# Allegro board FEE5_10_30.brd (continued)
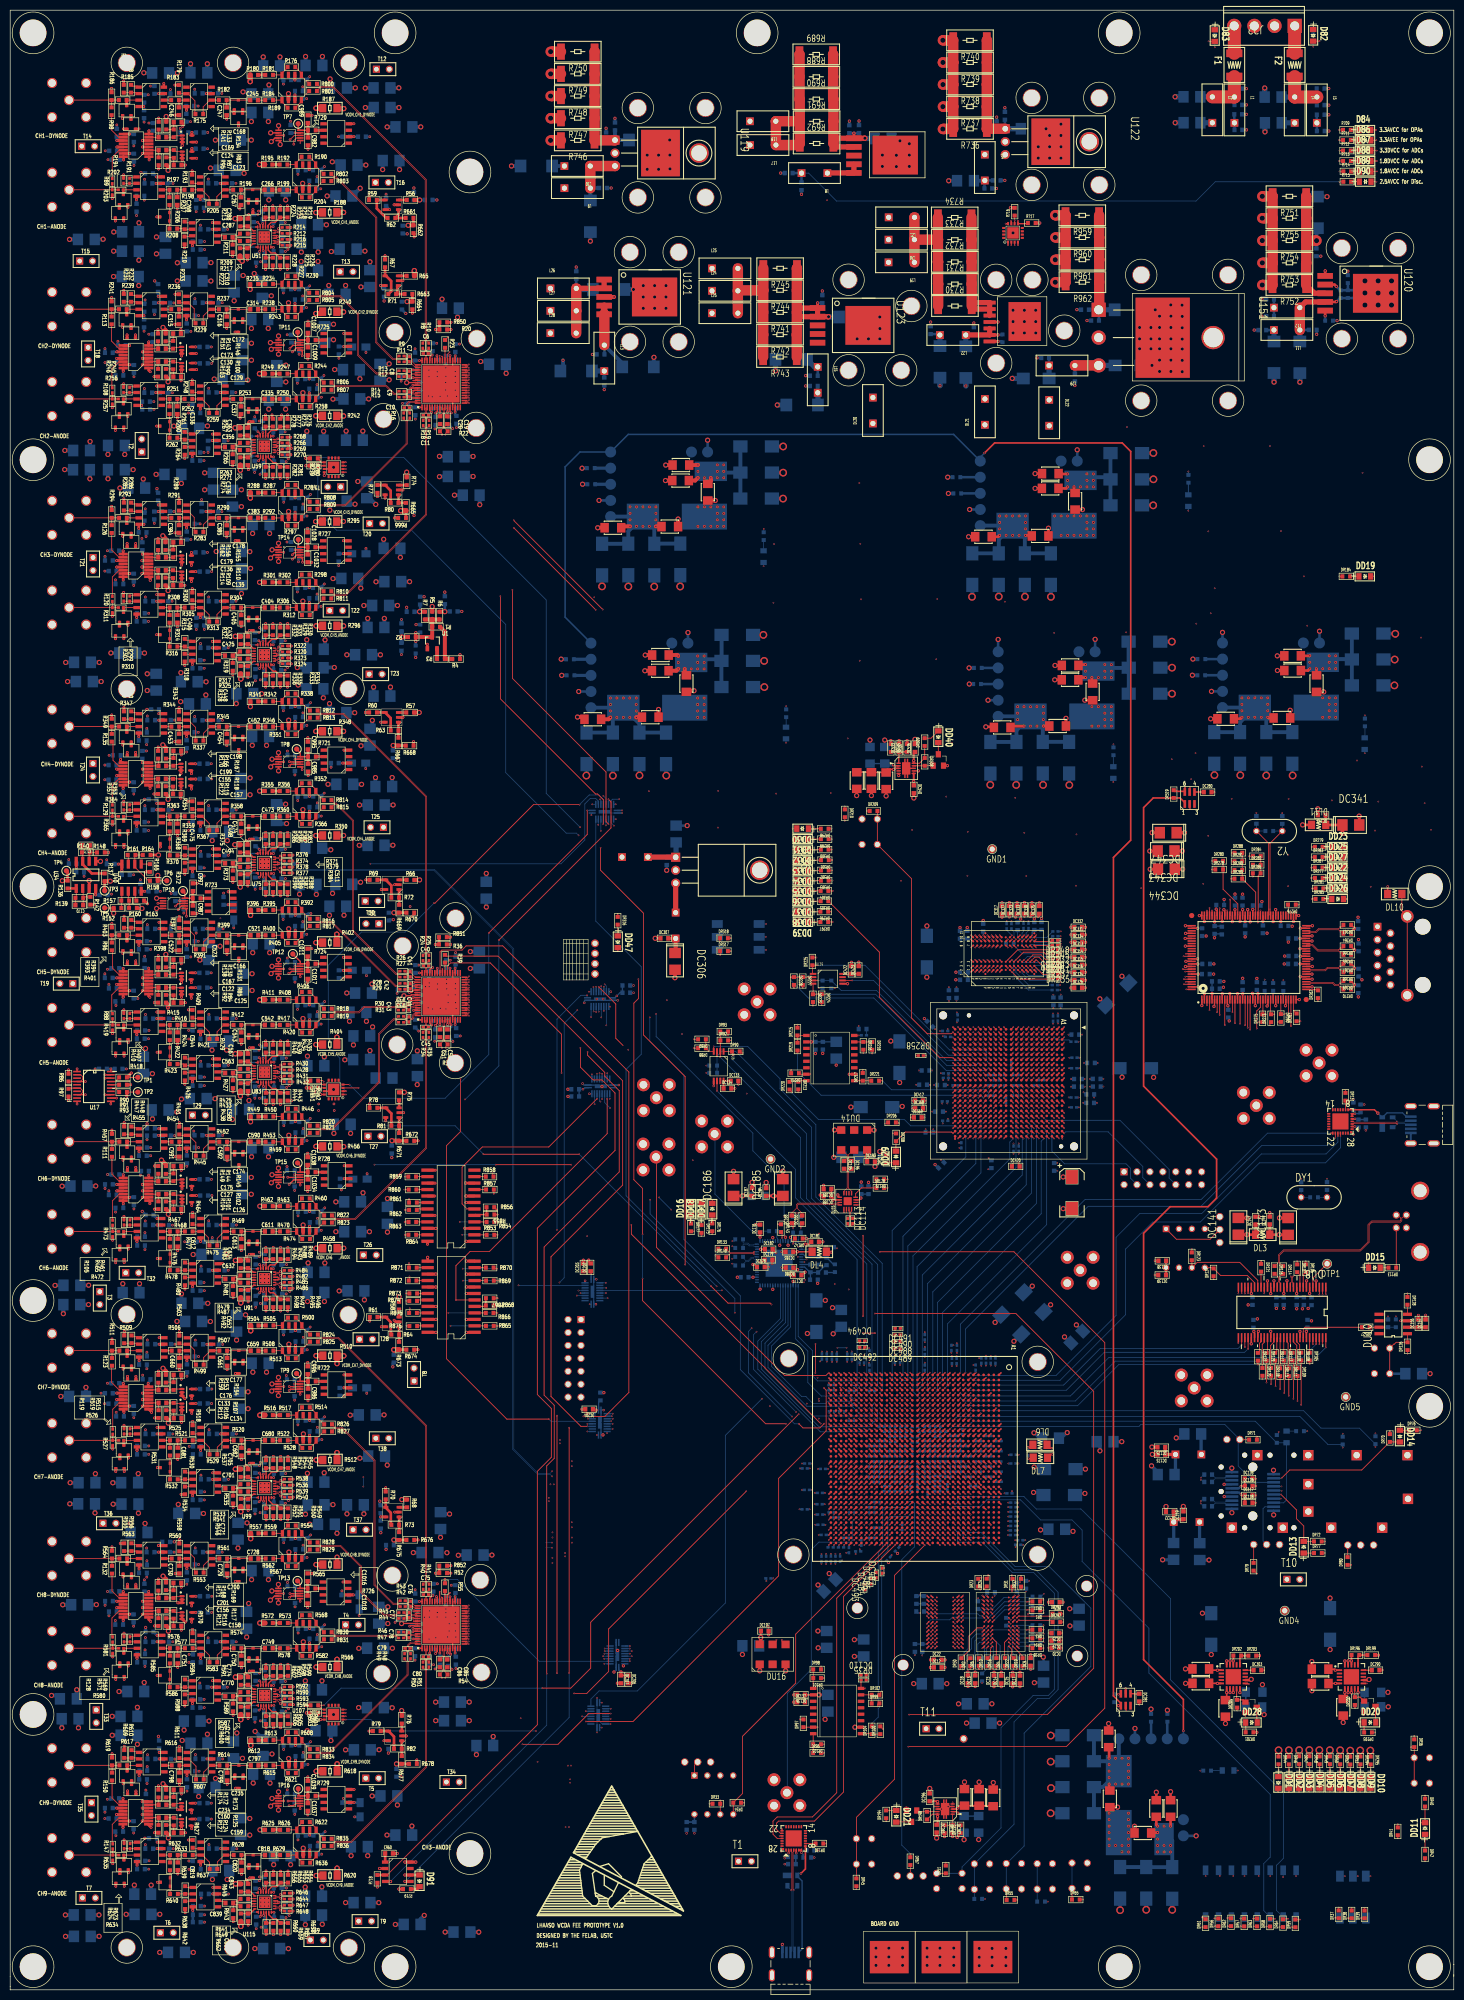
[diagram p0: board, top side]
## Routing (per net, layer and track width the routed paths; a pad name or vN(x,y) marks a point on that pad's centre or on a via; arc(x,y) is an arc through that point) (continued)
  vias: v1(114.74,273.43) v1(125.47,235.35) v1(139.07,235.42) v1(139.04,228.22) v1(149.93,272.38) v1(150.07,283.9) v1(150.45,234.9) v1(161.18,235.03) v1(164.52,245.72) v1(166.81,295.88) v1(166.88,261) v1(167.01,283.96) v1(167.14,273.03) v1(174.99,217.79) v1(177.18,227.76) v1(181.92,261.26) v1(182.12,273.1) v1(183.88,234.31) v1(185,244.81) v1(188.1,227.4) v1(188.04,218.77) v1(195.4,272.58) v1(197.42,234.08) v1(199.22,227.21) v1(199.61,218.71) v1(205.08,266.46) v1(209.36,216.81) v1(209.46,226.88) v1(219.21,266.56) v1(219.37,306.87) v1(222.18,216.32) v1(228.17,241.64) v1(232,237.73) v1(232.85,242.84) v1(233.01,268.27) v1(234.38,217.19) v1(234.45,303.13) v1(235.37,286.38) v1(235.33,226.62) v1(235.83,270.29) v1(236.61,275.2) v1(239.94,233.88) v1(247.47,303.13) v1(249.63,286.45) v1(251.02,222.88) v1(251.03,216.71) v1(251.13,233.85) v1(254.14,277.55) v1(254.8,267.87) v1(259.63,233.56) v1(264.57,241.4) v1(265.66,297.9) v1(267.25,216.61) v1(268.11,227.63) v1(268.76,233.33) v1(277.15,265.53) v1(277.3,240.2) v1(277.85,233) v1(279.1,227.8) v7(131.24,260.64) v7(133.78,259.37) v7(135.1,298.17) v7(135.05,261.91) v7(135.05,260.64) v7(135.05,259.37) v7(136.37,296.9) v7(136.32,261.91) v7(136.32,260.64) v7(136.32,259.37) v7(138.91,299.44) v7(138.91,298.17) v7(138.91,296.9) v7(140.18,299.44) v7(140.18,298.17) v7(140.18,296.9) v7(207.71,296.39) v7(210.25,295.12) v7(211.22,258.94) v7(211.52,297.66) v7(211.52,296.39) v7(211.52,295.12) v7(212.79,297.66) v7(212.79,296.39) v7(212.79,295.12) v7(213.76,257.67) v7(215.03,260.21) v7(215.03,258.94) v7(215.03,257.67) v7(216.3,260.21) v7(216.3,258.94) v7(216.3,257.67) v7(225.39,29.6) v7(225.39,28.33) v7(225.39,27.06) v7(226.66,32.14) v7(226.66,28.33) v7(226.66,27.06) v7(227.93,28.33) v7(227.93,27.06) v7(255.29,260.68) v7(257.83,259.41) v7(259.1,261.95) v7(259.1,260.68) v7(259.1,259.41) v7(260.37,261.95) v7(260.37,260.68) v7(260.37,259.41)
1.8AVCC: length 235.9
  TOP w0.152: R714.1 v1(261.12,357.06)
  TOP w0.254: U4.37 v3(86.4,77.18) ; v3(85.91,309.8) 85.91,309.81 U2.11 ; U2.4 82.41,310.13 82.79,309.75 v3(82.79,309.74) ; U4.59 79.25,70.41 79.13,70.29 v3(79.1,70.29) ; U2.42 83.91,319.93 83.91,320.8 83.84,320.87 v3(83.84,320.88) ; v3(82.4,66.13) 82.4,66.19 82.41,66.2 U4.4 ; v3(83.53,189.4) 83.91,189.78 U3.7 ; v3(79.11,313.87) 79.13,313.87 79.34,314.08 U2.59 ; U2.12 86.41,309.92 v3(86.68,309.65) ; U3.1 80.47,190.48 80.46,190.48 v3(80.37,190.48) ; v3(79.3,74.41) U4.51 ; U3.45 82.41,200.27 82.85,200.72 v3(82.99,200.72) ; v3(86.4,200.61) 86.4,200.55 86.4,200.54 U3.37 ; U3.62 79.32,192.33 79.32,192.33 v3(79.27,192.33) ; v3(80.38,310.72) 80.43,310.72 80.44,310.73 U2.1 ; v3(84.41,189.56) 84.41,189.73 84.41,189.73 U3.8 ; v3(79.13,318.09) 79.21,318.09 79.22,318.08 U2.51 ; v3(86.61,189.49) 86.61,189.5 86.4,189.71 U3.12 ; U2.45 82.41,320.57 82.86,321.01 v3(82.91,321.01) ; v3(79.13,68.9) 79.18,68.9 79.18,68.91 U4.62 ; v3(79.13,312.58) 79.23,312.58 79.24,312.58 U2.62 ; v3(79.1,193.63) 79.31,193.83 U3.59 ; v3(86.54,65.91) 86.41,66.04 86.41,67.05 U4.12 ; U3.11 85.9,189.6 85.91,189.6 v3(85.91,189.55) ; v3(83.59,309.63) 83.91,309.96 U2.7 ; v3(85.9,66.13) 85.9,66.14 85.9,66.15 U4.11 ; v3(84.41,309.8) 84.41,309.89 84.41,309.89 U2.8 ; U3.42 83.91,200.52 83.9,200.52 v3(83.9,200.61) ; v3(82.83,189.46) 82.41,189.88 U3.4 ; v3(80.38,319.92) 80.46,319.92 80.47,319.93 U2.48 ; v3(83.04,77.43) 82.96,77.43 82.41,76.87 U4.45 ; v3(83.74,77.21) 83.74,77.21 83.91,77.04 U4.42 ; U3.51 79.28,197.83 v3(79.24,197.83) ; U3.48 v3(80.37,199.68) ; U4.48 v3(80.37,76.26) ; U4.8 v3(84.41,66.13) ; U4.1 v3(80.37,67.06) ; U4.7 83.91,66.45 83.55,66.1 v3(83.55,66.04) ; U2.37 v3(86.41,320.9)
  TOP w0.508: R20.2 85.85,326.03 86.46,326.02 v3(86.6,326.02) ; R52.2 v3(86.58,81.83) ; R36.2 v3(86.53,205.27)
  S1 w0.152: v1(261.12,357.06) 247.54,357.06 242.89,352.42 242.89,324.25 234.53,315.88 219.17,315.88 213.44,310.15 162.09,310.15 L15.2
  BOTTOM w0.508: v3(80.37,190.48) 79.58,190.48 C65.2 ; C103.2 85.9,66.96 v3(85.9,66.13) ; v3(83.74,77.21) 83.74,76.58 C94.2 ; v3(82.83,189.46) 82.83,190.11 C66.2 ; C59.2 83.9,199.87 v3(83.9,200.61) ; C35.2 83.59,309.62 v3(83.59,309.63) ; C24.2 80.37,319.93 v3(80.38,319.92) ; C28.2 83.84,320.11 v3(83.84,320.88) ; v3(82.4,66.13) 82.4,65.41 C102.2 ; v3(80.37,199.68) 79.6,199.68 C61.2 ; v3(83.55,66.04) 83.55,66.78 C101.2 ; C25.2 79.16,318.06 v3(79.13,318.09) ; C944.1 158.62,313.62 L15.2 ; C95.2 83.11,77.49 v3(83.04,77.43) ; C29.2 82.91,321.73 v3(82.91,321.01) ; v3(86.54,65.91) 86.53,65.9 86.53,65.86 86,65.33 C105.2 ; C27.2 78.29,313.05 79.11,313.87 v3(79.11,313.87) ; C63.2 78.32,193.63 v3(79.1,193.63) ; C30.2 85.66,320.9 v3(86.41,320.9) ; 86.21,188.69 86.61,189.09 v3(86.61,189.49) ; 86.21,188.69 85.91,188.99 v3(85.91,189.55) C69.2 ; 86.21,188.69 86.21,188.65 C70.2 ; C62.2 79.26,197.82 v3(79.24,197.83) ; C96.2 80.37,76.25 v3(80.37,76.26) ; v3(80.38,310.72) 80.36,310.74 C31.2 ; C68.2 84.41,190.28 v3(84.41,189.56) ; C60.2 82.33,200.06 v3(82.99,200.72) ; v3(82.79,309.74) 82.79,310.38 C34.2 ; v3(79.13,68.9) 79.95,68.9 C99.2 ; C64.2 79.99,192.34 79.28,192.34 v3(79.27,192.33) ; C104.2 84.41,65.48 v3(84.41,66.13) ; C58.2 85.67,200.6 86.39,200.6 v3(86.4,200.61) ; v3(79.13,312.58) 79.14,312.58 C26.2 ; C36.2 84.41,310.55 v3(84.41,309.8) ; v3(79.29,74.41) 79.3,74.41 79.31,74.4 C97.2 ; C100.2 v3(80.37,67.06) ; v3(85.91,309.8) 85.91,310.63 C32.2 ; C93.2 85.68,77.18 v3(86.4,77.18) ; v3(83.53,189.4) 83.51,189.39 C67.2
  BOTTOM w0.762: v5(86.31,93.43) 84.89,93.43 C71.1 ; C109.1 90.54,297.17 90.54,297.17 v5(90.93,297.17) ; C73.1 94.88,49.19 94.88,49.19 v5(94.88,49.74) ; C37.1 74.04,75.21 74.04,75.2 v5(74.19,75.2) ; v5(74.44,319.28) 74.24,319.28 74.23,319.29 C74.1 ; C107.1 92.22,291.64 v5(92.24,291.62) ; v5(79.96,177.75) 80,177.79 C38.1 ; v5(75.08,67.08) 74.98,67.08 74.98,67.08 C108.1 ; v5(90.18,56.51) 90.1,56.51 90.09,56.51 C39.1 ; C72.1 90.52,203.86 90.52,203.87 v5(90.39,203.87) ; C106.1 97.43,319.14 v5(97.43,317.42)
  BOTTOM w1.016: C946.1 158.68,313.57 L15.2
1.8DVCC: length 189.7
  TOP w0.152: R713.1 v1(261.06,359.12)
  TOP w0.254: 87.41,319.93 v3(87.41,320.86) ; U3.14 v3(87.41,189.56) ; U4.35 v3(87.41,77.18) ; U3.35 87.41,200.61 v3(87.4,200.61) ; v3(87.41,309.8) 87.41,309.84 87.41,309.84 87.41,310.73 ; v3(87.4,66.13) 87.4,66.21 87.41,66.21 U4.14
  S4 w0.152: L13.2 134.54,317.87 146.57,329.9 171.25,329.9 190.54,349.2 201.95,349.2 211.87,359.12 v1(261.06,359.12)
  BOTTOM w0.508: 87.43,320.08 87.43,320.84 v3(87.41,320.86) 87.44,320.89 87.44,321.64 ; C88.1 87.41,77.87 v3(87.41,77.18) 87.41,76.48 C89.2 ; C53.1 87.4,201.26 v3(87.4,200.61) 87.4,199.95 87.48,199.87 C54.2 ; C92.2 87.4,66.82 v3(87.4,66.13) 87.4,65.55 C91.1 ; 87.67,310.58 87.41,310.31 v3(87.41,309.8) 87.41,309.31 87.66,309.05 ; L13.2 116.7,317.86 C935.1 ; C57.2 87.41,190.18 v3(87.41,189.56) 87.41,189.03 C56.1
  BOTTOM w0.762: v5(90.93,301.1) 89.32,301.1 C87.1 ; v5(84.83,331.99) 84.83,331.93 C90.1 ; v5(94.64,85.37) 94.28,85.37 94.28,85.37 92.99,85.37 ; v5(90.19,52.86) 90.02,52.86 90.02,52.85 C52.1 ; C55.1 v5(93.52,219.22)
  BOTTOM w1.016: L13.2 116.69,317.89 C936.1
  vias: v5(85.79,85.84)
2.5AVCC: length 198.9
  TOP w0.152: R715.1 v1(261.13,355.04)
  TOP w0.254: v3(52.69,303.12) 52.62,303.12 52.6,303.1 52.49,303.1 ; U99.22 52.54,98.9 v3(52.78,98.66) 52.51,98.39 U99.21 ; U83.22 52.46,180.47 v3(52.74,180.19) 52.51,179.97 U83.21 ; v3(51.72,301.02) 51.36,301.02 U59.18 ; U67.18 v3(51.74,260.19) ; U107.22 52.4,58.08 v3(52.71,57.77) 52.51,57.57 U107.21 ; U59.1 51.17,305.08 v3(51.67,305.08) ; U67.1 v3(51.69,264.1) ; v3(51.71,342.17) 51.27,342.17 U51.18 ; U91.21 52.6,139.42 52.8,139.61 v3(52.84,139.61) 52.53,139.93 U91.22 ; 52.49,303.1 52.45,303.1 52.45,303.14 52.19,303.4 U59.22 ; 52.49,303.1 52.28,302.89 U59.21 ; U75.21 52.56,220.94 v3(52.79,221.17) 52.79,221.19 52.54,221.45 U75.22 ; v3(51.66,346.23) 51.24,346.24 U51.1 ; U107.18 v3(51.8,55.84) ; U115.22 52.5,17.47 v3(52.79,17.18) 52.57,16.96 U115.21 ; U75.1 v3(51.7,223.12) ; v3(52.58,262.13) 52.53,262.13 ; 52.53,262.13 52.51,262.13 52.22,262.43 U67.22 ; 52.53,262.13 52.32,261.92 U67.21 ; U51.21 52.25,343.96 v3(52.55,344.26) 52.35,344.47 U51.22 ; U91.18 v3(51.86,137.69) ; U83.1 v3(51.82,182.15) ; U83.18 v3(51.83,178.24) ; U75.18 v3(51.75,219.21) ; U115.1 v3(51.76,19.14) ; U115.18 v3(51.81,15.23) ; U99.1 v3(51.75,100.58) ; U107.1 v3(51.75,59.76) ; U91.1 v3(51.68,141.6) ; U99.18 v3(51.8,96.67)
  BOTTOM w0.152: 155.45,356.73 156.86,356.73 162.34,351.25 232.94,351.25 236.74,355.04 v1(261.13,355.04)
  BOTTOM w0.508: v3(51.7,223.12) 51.7,223.9 C508.1 ; C715.1 51.75,101.33 v3(51.75,100.58) ; C785.1 51.8,54.66 v3(51.8,55.84) ; C854.1 51.85,15.2 v3(51.81,15.23) ; C587.1 54.12,180.14 52.79,180.14 v3(52.74,180.19) ; C509.1 51.76,219.2 v3(51.75,219.21) ; v3(52.71,57.77) 53.96,57.77 C794.1 ; C577.1 51.81,182.88 51.81,182.16 v3(51.82,182.15) ; v3(52.78,98.66) 52.87,98.57 54.13,98.57 C725.1 ; C784.1 51.75,60.56 v3(51.75,59.76) ; v3(51.86,137.69) 51.86,136.69 C647.1 ; v3(52.84,139.61) 54.09,139.61 C656.1 ; C439.1 51.69,264.86 v3(51.69,264.1) ; v3(52.69,303.12) 53.64,303.12 C370.1 ; C440.1 51.74,259.19 v3(51.74,260.19) ; C911.2 155.45,356.75 L8.2 155.45,356.73 C910.2 ; v3(52.79,221.17) 54.01,221.17 C518.1 ; C301.1 51.66,346.98 v3(51.66,346.23) ; v3(51.83,178.24) 51.83,177.19 C578.1 ; C863.1 54.13,17.18 v3(52.79,17.18) ; C371.1 51.67,305.89 v3(51.67,305.08) ; C302.1 51.71,341.39 v3(51.71,342.17) ; C853.1 51.78,19.16 v3(51.76,19.14) ; v3(51.72,301.02) 51.72,300.21 C380.1 ; C646.1 51.68,142.35 v3(51.68,141.6) ; C311.1 53.59,344.26 v3(52.55,344.26) ; C449.1 52.59,262.13 v3(52.58,262.13) ; C716.1 51.8,95.7 v3(51.8,96.67)
  BOTTOM w0.762: C658.1 60.14,217.02 v5(60.14,215.1) ; C372.1 61.22,18.41 v5(61.22,20.22) ; v5(63.41,95.27) 61.78,95.27 C441.1 ; v5(49.4,254.51) 49.2,254.51 49.19,254.52 C796.1 ; C579.1 61.71,182.89 v5(61.71,183.21) ; v5(61.68,101.54) 61.68,99.74 C451.1 ; v5(46.91,174.63) 46.91,174.63 C589.1 ; C382.1 61.31,14.63 v5(61.31,12.86) ; v5(62.12,346.59) 62.04,346.59 62.03,346.6 C865.1 ; C727.1 61.65,259.66 v5(63.67,259.66) ; C855.1 60.49,341.34 60.5,341.32 v5(60.5,341.22) ; v5(61.81,142.73) 61.81,140.94 C510.1 ; v5(61.57,306.05) 61.57,305.85 61.58,305.85 C786.1 ; v5(58.41,135.16) 58.41,135.31 58.42,135.32 C520.2 ; v5(61.25,60.68) 61.25,60.5 61.25,60.49 C909.1 ; v5(61.85,265.08) 61.85,263.49 C717.1 ; C648.1 61.6,223.87 v5(62.98,223.87)
2.5DVCC_ADC: length 4.1
  BOTTOM w0.508: L22.2 182.45,325.12 C1050.1
  BOTTOM w1.016: C1053.1 182.64,324.93 L22.2
3.3AVCC: length 687.5
  TOP w0.152: R709.1 v1(261.05,365.22)
  TOP w0.254: v3(48.68,305.95) 49.13,305.49 U59.5 ; v3(48.93,223.94) 49.12,223.75 49.12,223.16 U75.5 ; v3(55.97,282.77) 56.98,282.77 U142.9 ; v8(61.71,297.36) 61.71,297.36 U152.12 ; U130.9 v3(55.89,118.97) ; v8(60.98,175.8) 61.07,175.8 U153.12 ; U59.14 49.18,300.71 48.8,300.33 v3(48.8,300.26) ; U99.14 49.26,96.19 v3(48.9,95.83) ; U91.5 49.17,141.63 49.17,142.24 v3(48.98,142.43) ; U128.9 56.99,364.65 v3(55.98,364.65) ; v3(49.11,14.4) 49.25,14.55 49.25,15.21 U115.14 ; v3(48.97,19.86) 49.22,19.61 U115.5 ; U107.5 49.18,59.79 49.18,60.47 v3(48.98,60.67) ; U154.12 61.17,53.07 61.16,53.07 v8(60.97,53.07) ; v3(48.92,54.93) 49.23,55.24 49.23,55.82 U107.14 ; U138.9 56.08,78.32 56.08,78.33 v3(55.95,78.33) ; v3(48.97,259.47) 49.2,259.7 U67.14 ; v3(48.85,177.4) 49.23,177.79 U83.14 ; U17.20 19.77,180.8 19.77,180.8 v3(19.77,180.85) ; U137.9 v3(55.96,200.98) ; v3(55.95,37.62) 56,37.62 56.03,37.59 U144.9 ; v3(48.97,101.47) 49.18,101.25 49.18,100.61 U99.5 ; v3(48.85,264.9) 48.86,264.9 49.15,264.61 U67.5 ; v3(49.01,341.35) 49.14,341.49 49.14,342.2 U51.14 ; v3(48.93,218.47) 49.21,218.75 U75.14 ; v3(48.6,347.09) 49.12,346.57 U51.5 ; v3(55.98,323.45) 56.98,323.45 U136.9 ; U131.9 v3(33.29,213.84) ; v3(48.93,183.03) 49.15,182.81 49.15,182.18 U83.5 ; U91.14 49.22,137.67 49.22,137.09 v3(49.01,136.88) ; U129.9 v3(55.97,241.65) ; U143.9 v3(55.91,160.06)
  TOP w0.406: v3(41.26,354.71) 42.26,354.71 U48.7 ; U50.7 40.69,345.72 v3(39.69,345.72)
  TOP w0.508: U135.2 65.62,118.21 65.62,118.21 v3(65.56,118.21) ; R544.2 53.13,104.55 53.13,104.56 v3(53.13,104.75) ; U16.5 v3(36.39,196.77) ; U101.3 v3(56.02,85.7) ; U54.3 55.94,330 v3(55.94,331.13) ; U55.7 v3(28.62,313.65) ; R719.2 76.42,19.78 76.42,19.79 v8(76.37,19.79) ; R605.2 51.69,51.51 51.69,51.51 v3(51.69,51.45) ; U22.15 23.24,319.09 23.25,319.1 v3(23.46,319.1) ; U63.3 v3(58.76,272.43) ; v3(36.43,159.13) 35.65,159.13 U35.5 ; U58.7 40.7,304.24 v3(39.7,304.24) ; U37.5 v3(36.41,322.6) ; U24.5 36.43,278.47 v3(36.43,278.46) ; U113.8 v3(28.86,28.99) ; U100.7 v3(29.13,85.96) ; v3(53.31,309.25) 53.31,308.76 R275.2 ; U6.5 v3(72.77,248.92) ; R279.2 v3(53.04,296.77) ; R598.2 53.12,63.71 53.12,63.71 v3(53.12,63.93) ; v3(53.12,51.45) 53.12,51.74 53.12,51.75 R603.2 ; v3(22.19,194.89) 22.19,195.01 22.19,195.01 U14.16 ; U15.5 35.69,361.37 35.69,361.56 v3(35.7,361.57) ; v3(35.7,364.74) 35.7,364.59 35.7,364.13 U32.5 ; U28.11 20.93,280.65 v3(20.92,280.65) ; U97.3 v3(58.83,108.9) ; U61.7 v3(38.47,290.3) ; R385.2 v3(51.63,227.3) ; U42.5 v3(36.49,77.28) ; U76.8 v3(29.22,209.62) ; U74.8 39.89,224.02 39.89,224.03 v3(39.74,224.03) ; U26.11 21.08,117.17 21.08,117.18 v3(20.94,117.18) ; v3(73.65,292.91) 73.65,292.92 U11.5 ; v8(58.19,54.37) 58.27,54.37 58.27,54.37 R1005.2 ; U141.2 67.22,77.54 67.22,77.55 v3(67.41,77.55) ; v3(23.46,237.16) 23.37,237.16 23.37,237.16 U30.15 ; v3(28.84,151.45) 28.96,151.45 28.97,151.45 U87.8 ; U88.7 v3(41.33,150.19) ; U18.16 22.3,359.88 v3(22.3,359.32) ; U68.7 29.34,249.32 v3(29.2,249.32) ; U36.16 22.17,31.95 22.16,31.94 v3(22.16,31.88) ; R223.2 51.6,349.57 51.6,350.12 v3(51.6,350.32) ; R659.2 v3(51.71,10.84) ; v3(39.81,18.83) 39.97,18.83 39.97,18.83 U114.7 ; U28.16 v3(22.19,276.84) ; v3(41.8,142.57) 41.57,142.57 41.57,142.57 U90.8 ; U111.7 v3(41.36,27.73) ; v3(72.76,334.67) 72.82,334.67 72.82,334.66 U8.5 ; U146.2 66.62,159.27 v3(65.6,159.27) ; U7.5 v3(72.89,130.2) ; v3(41.28,272.7) 42.29,272.7 U65.7 ; U98.7 v3(39.78,100.24) ; U44.7 30.18,372.34 v3(29.17,372.34) ; U26.16 22.21,113.78 22.35,113.64 v3(22.35,113.41) ; U71.3 58.77,230.43 v3(58.77,231.45) ; U84.7 v3(29.16,167.8) ; U103.7 v3(28.84,68.34) ; R389.2 v3(51.64,214.82) ; U66.8 v3(39.72,264.79) ; v3(39.74,222.77) 40.74,222.77 U74.7 ; U33.5 v3(36.39,199.7) ; U30.11 21.14,239.7 21.14,239.7 v3(20.92,239.7) ; v8(58.17,177.11) 58.26,177.11 58.26,177.11 R1003.2 ; U31.11 20.99,76.31 20.99,76.31 v3(20.93,76.31) ; v3(53.08,214.82) 53.08,215.57 R387.2 ; U18.15 23.27,360.59 23.27,360.58 v3(23.49,360.58) ; U14.15 23.35,196.16 23.35,196.17 v3(23.46,196.17) ; v3(28.78,273.97) 29.79,273.97 U64.8 ; U86.3 v3(56.01,167.54) ; R493.2 v3(51.67,145.78) ; U49.3 58.73,354.43 v3(58.73,354.47) ; U23.11 21.16,158.15 21.15,158.14 v3(20.94,158.14) ; v3(51.61,268.28) 51.61,268.07 51.62,268.07 R331.2 ; U72.7 v3(28.79,231.7) ; U13.5 73.53,48.91 73.52,48.91 v3(73.42,48.91) ; R1002.2 58.56,178.12 v8(57.96,178.12) ; v3(23.47,73.77) 23.36,73.77 23.36,73.77 U31.15 ; R281.2 v3(51.61,296.79) ; v8(58.09,300.71) 58.16,300.71 R1001.2 ; U92.7 29.4,126.78 29.4,126.78 v3(29.26,126.78) ; v3(21.93,219.78) 21.93,219.88 21.94,219.88 U40.8 v3(21.24,221.05) ; v3(51.6,337.84) 51.6,338.6 R227.2 ; U78.3 v3(55.99,208.09) ; R488.2 v3(53.11,145.78) ; U69.7 v3(38.55,249.31) ; U85.7 v3(38.55,167.8) ; U109.8 29.37,46.61 29.37,46.62 v3(29.27,46.62) ; v3(38.56,372.34) 39.57,372.34 U45.7 ; U89.3 v3(58.81,149.93) ; v8(72.14,20.2) 72.14,20.29 72.14,20.29 R718.1 ; U94.3 v3(56.03,126.52) ; v3(29.21,169.07) 29.22,169.07 U84.8 ; v3(53.08,173.85) 53.08,173.96 53.09,173.97 R441.2 ; U38.5 v3(35.6,282.24) ; U18.11 21.17,363.13 21.17,363.14 v3(20.95,363.14) ; v3(36.45,237.76) 36.44,237.75 U27.5 ; v3(65.44,282) 66.45,282 U145.2 ; R655.2 v3(51.69,23.32) ; U52.8 v3(29.07,332.54) ; R657.2 v3(53.13,10.84) ; R1000.2 v8(58.1,299.28) ; v3(65.53,322.68) 66.53,322.68 U139.2 ; U60.7 v3(29.1,290.3) ; U100.8 29.14,87.23 v3(29.13,87.23) ; U90.7 v3(39.77,141.3) ; v3(22.19,72.5) 22.19,72.65 22.2,72.65 U31.16 ; v3(28.78,272.67) 29.79,272.67 U64.7 ; U73.7 v3(41.29,231.71) ; U103.8 v3(28.84,69.61) ; v8(77.54,25.09) 77.78,25.09 77.78,25.09 U126.8 79.53,25.09 79.53,25.09 v8(79.68,25.09) ; U9.5 v3(72.88,216.06) ; U72.8 v3(28.79,232.97) ; v3(53.06,227.3) 53.06,227.11 53.06,226.55 R382.2 ; U147.2 v3(67.56,36.8) ; U39.5 v3(36.53,117.97) ; U29.5 v3(36.38,33.53) ; U57.7 42.27,313.67 v3(41.27,313.67) ; R551.2 51.7,92.35 51.69,92.35 v3(51.69,92.27) ; U30.16 22.19,236.02 22.18,236.01 v3(22.18,235.89) ; R443.2 51.66,173.91 51.66,173.91 v3(51.66,173.85) ; U132.2 66.52,363.88 v3(67.53,363.88) ; R549.2 v3(53.12,92.33) ; v3(20.9,35.68) 21.11,35.68 21.12,35.69 U36.11 ; U47.8 29.76,355.98 v3(28.76,355.98) ; U47.7 v3(28.67,354.72) ; v8(58.18,55.87) 58.32,55.87 58.33,55.87 R1004.2 ; R439.2 v3(51.65,186.33) ; U105.3 v3(58.82,68.15) ; U56.3 v3(58.74,313.58) ; U19.5 v3(36.59,155.96) ; R335.2 v3(51.63,255.8) ; U68.8 v3(29.2,250.59) ; v3(39.72,263.5) 40.72,263.5 U66.7 ; U106.8 v3(39.75,60.7) ; U114.8 v3(39.81,20.1) ; v3(29.27,45.34) 29.41,45.34 29.42,45.34 U109.7 ; U14.11 v3(20.92,198.7) ; U50.8 40.69,346.99 v3(39.69,346.99) ; v3(28.77,314.93) 28.84,314.93 28.84,314.92 U55.8 ; U81.3 58.79,189.46 v3(58.79,190.47) ; U36.15 23.21,33.15 23.21,33.15 v3(23.44,33.15) ; U95.7 v3(28.85,109.16) ; U80.7 v3(41.31,190.74) ; v3(39.75,181.53) 40.75,181.53 U82.7 ; U110.3 v3(56.04,45.09) ; U5.5 v3(74.53,349.56) ; v3(51.69,104.75) 51.69,104.59 51.68,104.58 R547.2 ; R495.2 v3(53.11,133.3) ; U104.7 v3(41.27,68.34) ; R333.2 v3(53.06,255.8) ; v3(55.94,372.08) 55.94,371.08 U46.3 ; v3(36.38,240.74) 36.37,240.74 U41.5 ; U70.3 v3(55.97,249.06) ; U21.5 v3(36.49,115.12) ; U52.7 v3(29.12,331.27) ; U133.2 v3(65.33,240.89) ; U20.5 v3(36.46,319.44) ; U113.7 v3(28.86,27.72) ; U82.8 40.76,182.8 v3(39.75,182.8) ; U134.2 v3(42.81,213.07) ; U77.7 v3(38.61,208.34) ; U79.8 28.89,192 28.89,192 v3(28.82,192) ; U44.8 v3(30.18,374.34) ; U106.7 v3(39.58,59.43) ; R225.2 53.05,338.58 53.04,338 v3(53.04,337.84) ; U96.7 v3(41.35,109.16) ; U93.7 v3(38.65,126.77) ; v3(39.7,305.49) 40.7,305.49 U58.8 ; v3(20.92,321.63) 21.06,321.63 21.07,321.63 U22.11 ; U112.3 v3(58.84,27.47) ; v3(53.04,350.32) 53.04,350.17 53.05,349.58 R218.2 ; R653.2 v3(53.14,23.3) ; v3(51.44,309.25) 51.44,308.65 R277.2 ; v3(23.46,278.1) 23.25,278.1 23.24,278.11 U28.15 ; U108.7 v3(38.66,45.34) ; U25.5 v3(36.49,74.12) ; U23.16 v3(22.21,154.34) ; R329.2 v3(53.06,268.28) ; U92.8 v3(29.26,128.05) ; U53.7 v3(38.54,331.27) ; R434.2 v3(53.09,186.33) ; U34.8 v3(12.98,220.33) ; R497.2 v3(51.68,133.3) ; U87.7 28.91,150.18 28.91,150.19 v3(28.84,150.19) ; v3(65.45,200.2) 66.47,200.2 U140.2 ; U79.7 v3(28.82,190.73) ; U10.5 v3(72.77,92.86) ; U98.8 v3(39.78,101.51) ; v3(22.2,317.82) 22.2,317.96 22.19,317.96 U22.16 ; U60.8 v3(29.09,291.57) ; U26.15 v3(23.48,114.63) ; U12.5 v3(73.77,170.63) ; U23.15 23.25,155.61 23.27,155.63 v3(23.48,155.63) ; U62.3 v3(55.96,290.17) ; R601.2 v3(51.68,63.93) ; U43.5 v3(36.39,36.65) ; U95.8 v3(28.85,110.43) ; U76.7 v3(29.22,208.35) ; U102.7 v3(38.64,85.95)
  TOP w0.762: R2.1 v5(76.91,265.64)
  S2 w0.152: v1(261.05,365.22) 261.05,365.21 259.29,363.45 250.98,363.45 238.94,351.41 160.47,351.41 v1(160.46,351.41)
  BOTTOM w0.508: C801.1 v3(38.66,45.34) C800.1 ; C665.1 56.04,126.51 v3(56.03,126.52) 56.05,126.54 C666.1 ; C706.1 48.19,101.47 v3(48.97,101.47) ; C988.1 65.33,240.88 v3(65.33,240.89) 65.34,240.88 C990.1 ; C321.1 v3(55.94,331.13) 55.94,330.33 C320.1 ; C203.2 28.15,152.13 v3(28.84,151.45) ; C270.1 58.73,355.19 58.73,354.47 v3(58.73,354.47) 58.73,353.67 C269.1 ; C773.1 39.58,59.43 v3(39.58,59.43) 39.57,59.43 C772.1 ; C338.1 58.74,312.82 v3(58.74,313.58) 58.76,313.6 C339.1 ; v3(48.68,305.95) 48.04,306.58 C359.1 ; C119.2 29.07,291.6 v3(29.09,291.57) ; C496.1 39.71,222.75 v3(39.74,222.77) C495.1 ; C304.1 72.77,93.58 72.77,92.86 v3(72.77,92.86) 72.77,92.15 C962.1 ; C149.2 36.59,155.96 v3(36.59,155.96) ; C1031.1 65.45,281.99 v3(65.44,282) 65.43,282 C1030.1 ; C390.1 28.34,290.3 v3(29.1,290.3) 29.1,290.3 C391.1 ; C462.1 29.19,249.31 v3(29.2,249.32) 29.21,249.32 C461.1 ; v3(20.94,158.14) 20.91,158.17 C196.2 ; C975.2 v3(67.53,363.88) C976.2 ; C545.1 58.81,190.46 v3(58.79,190.47) 58.81,190.5 C546.1 ; C845.1 48.37,14.4 v3(49.11,14.4) ; v3(28.79,232.97) 28.79,233.72 C121.2 ; v3(36.39,196.77) 36.4,196.78 C147.2 ; C191.2 22.18,235.08 v3(22.18,235.89) ; v3(48.97,19.86) 48.94,19.89 C844.1 ; C317.1 39.33,331.27 v3(38.54,331.27) 38.54,331.27 C318.1 ; C193.2 20.91,198.7 v3(20.92,198.7) ; v3(28.84,69.61) 28.16,70.29 C212.2 ; v3(23.46,237.16) 24.25,237.16 C192.2 ; C626.1 28.83,150.19 v3(28.84,150.19) 29.61,150.19 C627.1 ; C614.1 58.86,149.98 v3(58.81,149.93) 58.84,149.9 C616.1 ; C357.1 40.45,304.24 v3(39.7,304.24) 38.92,304.24 C358.1 ; C389.1 55.99,290.14 v3(55.96,290.17) 55.99,290.2 C388.1 ; v3(22.19,194.89) 22.17,194.88 C194.2 ; v3(29.2,250.59) 29.2,251.4 C120.2 ; C804.1 29.29,45.32 v3(29.27,45.34) 29.26,45.33 C803.1 ; v3(36.41,322.6) 36.41,322.61 C140.2 ; C594.1 38.56,167.81 v3(38.55,167.8) 38.54,167.81 C593.1 ; C979.2 32.51,213.84 v3(33.29,213.84) 34.01,213.84 C978.2 ; v3(23.46,278.1) 24.25,278.1 C189.2 ; C992.1 65.56,118.21 v3(65.56,118.21) 64.75,118.21 C991.1 ; C668.1 29.26,126.78 v3(29.26,126.78) C669.1 ; C1022.2 55.95,36.8 v3(55.95,37.62) 55.95,37.67 55.95,37.68 C1023.2 ; C350.1 29.36,313.65 v3(28.62,313.65) 27.91,313.65 C351.1 ; C143.2 36.44,278.48 v3(36.43,278.46) ; v3(48.92,54.93) 48.14,54.93 C779.1 ; C411.1 41.31,272.67 v3(41.28,272.7) 41.26,272.67 C410.1 ; C216.2 73.44,333.98 v3(72.76,334.67) ; C427.1 48.29,259.47 v3(48.97,259.47) ; C687.1 v3(41.35,109.16) 41.35,109.16 C686.1 ; C735.1 56.01,85.7 v3(56.02,85.7) 56,85.68 C734.1 ; C499.1 48.3,224.56 v3(48.93,223.94) ; v3(36.39,36.65) 36.39,36.66 C153.2 ; v3(49.01,136.88) 48.4,136.27 C638.1 ; v3(73.42,48.91) 74.24,48.91 C215.2 ; C684.1 58.82,108.9 v3(58.83,108.9) 58.81,108.89 C683.1 ; C596.1 56.03,167.56 v3(56.01,167.54) 56.01,167.54 C597.1 ; C531.1 29.21,208.33 v3(29.22,208.35) 29.24,208.34 C530.1 ; C572.1 48.09,177.4 v3(48.85,177.4) ; v3(20.92,321.63) 20.32,321.63 C186.2 ; C458.1 55.98,249.07 v3(55.97,249.06) C459.1 ; v3(36.39,199.7) 36.39,199.7 C145.2 ; C137.2 29.11,169.18 v3(29.21,169.07) ; C456.1 37.79,249.31 v3(38.55,249.31) 39.39,249.31 C455.1 ; C273.1 42.02,354.71 v3(41.26,354.71) 40.47,354.71 C272.1 ; v3(29.27,46.62) 29.26,46.62 C202.2 ; C525.1 38.62,208.34 v3(38.61,208.34) 38.61,208.34 C524.1 ; C617.1 41.32,150.18 v3(41.33,150.19) 41.34,150.18 C618.1 ; C219.2 22.16,31.08 v3(22.16,31.88) ; C408.1 v3(58.76,272.43) C407.1 ; C973.2 55.87,118.94 v3(55.89,118.97) 55.89,118.97 C974.2 ; v3(48.8,300.26) 48.04,300.26 C360.1 ; C1004.2 56.73,323.45 v3(55.98,323.45) 55.25,323.45 C1005.2 ; v3(29.07,332.54) 29.06,332.56 C118.2 ; v3(36.46,319.44) 37.21,319.44 C142.2 ; v3(35.6,282.24) 36.41,282.24 C141.2 ; C162.1 12.98,221.05 v3(12.98,220.33) 12.98,220.33 C161.1 ; v3(48.93,218.47) 48.87,218.41 C500.1 ; C208.2 20.17,76.31 v3(20.93,76.31) ; C182.2 24.26,360.58 v3(23.49,360.58) ; C180.2 20.95,363.14 v3(20.95,363.14) ; C281.1 28.66,354.71 v3(28.67,354.72) 28.68,354.71 C282.1 ; C825.1 41.39,27.7 v3(41.36,27.73) 41.36,27.72 C824.1 ; C429.1 39.7,263.52 v3(39.72,263.5) 39.72,263.51 C430.1 ; v3(21.93,219.78) 21.94,219.77 C221.1 ; v3(28.76,355.98) 28.07,356.67 C117.2 ; v3(22.2,317.82) 22.2,317.03 C184.2 ; v3(36.38,240.74) 37.19,240.74 C146.2 ; v3(35.7,361.57) 36.41,361.57 C139.2 ; v3(48.98,60.67) 48.97,60.68 C778.1 ; C737.1 29.1,85.94 v3(29.13,85.96) 29.14,85.94 C738.1 ; v3(23.48,155.63) 23.49,155.64 C204.2 ; C1013.1 v3(65.53,322.68) 66.99,322.68 C1014.1 ; C1025.2 55.97,282.77 v3(55.97,282.77) 55.98,282.77 C1024.2 ; C695.1 28.84,109.15 v3(28.85,109.16) 28.86,109.15 C696.1 ; C702.1 39.78,100.25 v3(39.78,100.24) C703.1 ; C480.1 41.32,231.68 v3(41.29,231.71) 41.28,231.72 C479.1 ; C807.1 56.04,45.08 v3(56.04,45.09) 56.04,45.09 C802.1 ; C426.1 48.21,264.9 v3(48.85,264.9) ; v3(36.45,237.76) 36.46,237.77 C144.2 ; C663.1 38.68,126.74 v3(38.65,126.77) 38.65,126.76 C662.1 ; C971.2 55.99,241.66 v3(55.97,241.65) 55.97,240.9 C970.2 ; C152.2 36.49,74.11 v3(36.49,74.12) ; C1035.1 66.8,36.8 v3(67.56,36.8) 67.61,36.76 C1036.1 ; C190.2 20.92,240.46 v3(20.92,239.7) ; C565.1 39.76,181.54 v3(39.75,181.53) 39.74,181.52 C566.1 ; C822.1 58.89,27.52 v3(58.84,27.47) 58.9,27.41 C821.1 ; C248.1 37.83,372.34 v3(38.56,372.34) 39.23,372.34 C249.1 ; C732.1 38.65,85.94 v3(38.64,85.95) 38.64,85.95 C731.1 ; C600.1 29.94,167.8 v3(29.16,167.8) 28.47,167.8 C599.1 ; C217.2 24.21,33.15 v3(23.44,33.15) ; C840.1 39.8,18.82 v3(39.81,18.83) 39.82,18.82 C841.1 ; C558.1 28.12,190.73 v3(28.82,190.73) 29.6,190.73 C557.1 ; C998.2 55.96,200.2 v3(55.96,200.98) 55.95,200.99 C999.2 ; C1019.2 55.88,160.03 v3(55.91,160.06) 55.9,160.07 C1020.2 ; C1029.1 65.59,159.28 v3(65.6,159.27) 67.23,159.27 C1033.1 ; C764.1 28.84,68.33 v3(28.84,68.34) 28.85,68.34 C765.1 ; C1015.1 68.52,77.55 v3(67.41,77.55) 66.6,77.55 C1012.1 ; C220.1 21.23,221.06 v3(21.24,221.05) ; C983.1 55.1,364.65 v3(55.98,364.65) ; C1001.2 55.96,78.32 v3(55.95,78.33) 55.95,79.13 C1002.2 ; C183.2 28.86,29.72 v3(28.86,28.99) ; C205.2 20.17,117.18 v3(20.94,117.18) ; v3(48.6,347.09) 47.86,347.09 C295.1 ; v3(48.98,142.43) 48.97,142.44 C637.1 ; C154.2 36.5,77.29 v3(36.49,77.28) ; v3(23.48,114.63) 23.49,114.64 C207.2 ; C132.2 19.79,180.83 v3(19.77,180.85) 19.76,180.83 C131.1 ; v3(23.47,73.77) 23.47,73.77 24.19,73.77 C210.2 ; C255.1 v3(55.94,372.08) C251.1 ; C1008.1 65.45,200.19 v3(65.45,200.2) 65.46,200.2 C1010.1 ; v3(22.35,113.41) 22.35,113.4 C206.2 ; C488.1 28.78,231.71 v3(28.79,231.7) 28.81,231.71 C489.1 ; C187.2 22.21,276.82 v3(22.19,276.84) ; C289.1 39.66,345.7 v3(39.69,345.72) 39.71,345.7 C291.1 ; C477.1 58.8,231.48 v3(58.77,231.45) 58.81,231.4 C476.1 ; C858.1 35.01,364.74 v3(35.7,364.74) 36.49,364.74 C138.2 ; v3(23.46,196.17) 23.48,196.18 C195.2 ; C753.1 58.8,68.17 v3(58.82,68.15) 58.79,68.12 C752.1 ; C116.2 73.84,350.25 v3(74.53,349.56) ; v3(29.13,87.23) 29.86,87.96 C213.2 ; C209.2 22.19,71.72 v3(22.19,72.5) ; C342.1 v3(41.27,313.67) C341.1 ; v3(36.53,117.97) 36.53,117.97 C150.2 ; C833.1 28.84,27.71 v3(28.86,27.72) 28.87,27.71 C834.1 ; C527.1 55.95,208.05 v3(55.99,208.09) 55.95,208.13 C528.1 ; C571.1 48.17,183.03 v3(48.93,183.03) ; v3(49.01,341.35) 48.35,340.69 C296.1 ; v3(36.38,33.53) 36.39,33.53 C211.2 ; C993.1 42.8,213.05 v3(42.81,213.07) 43.72,213.07 C994.1 ; C386.1 38.46,290.3 v3(38.47,290.3) 39.25,290.3 C387.1 ; v3(22.21,154.34) 22.22,154.33 C197.2 ; v3(36.43,159.13) 37.21,159.13 C148.2 ; C252.1 29.92,372.34 v3(29.17,372.34) 28.39,372.34 C253.1 ; C756.1 41.28,68.33 v3(41.27,68.34) 41.26,68.33 C755.1 ; C549.1 v3(41.31,190.74) 41.31,190.74 C548.1 ; C420.1 v3(28.78,272.67) C419.1 ; C218.2 20.88,35.7 v3(20.9,35.68) ; C185.2 24.26,319.1 v3(23.46,319.1) ; C151.2 36.5,115.13 v3(36.49,115.12) ; v3(22.3,359.32) 21.56,359.32 C181.2 ; C635.1 39.79,141.29 v3(39.77,141.3) 39.73,141.27 C633.1 ; C188.2 20.16,280.65 v3(20.92,280.65) ; C707.1 48.16,95.83 v3(48.9,95.83) ; C323.1 29.15,331.24 v3(29.12,331.27) 29.09,331.24 C322.1
  BOTTOM w0.762: v5(76.08,271.83) 76,271.83 76,271.83 C444.1 ; v5(45.43,274.18) 45.43,274.25 45.45,274.27 C780.1 ; C478.1 16.21,157.84 16.22,157.84 v5(16.8,157.84) ; C628.1 38.37,256.86 38.38,256.85 v5(38.49,256.85) ; v5(50.35,121.28) 50.35,122.65 C319.1 ; C428.1 63.01,50.6 v5(63.01,48.95) ; C920.1 108.86,358.13 L10.2 ; C670.1 50.36,245.65 v5(50.36,244.37) ; v5(50.73,80.54) 50.73,80.66 50.72,80.67 C361.1 ; v5(32.75,172.38) 31.5,172.38 C619.1 ; v5(26.49,91.58) 26.49,90.28 C501.1 ; v5(25.16,101.37) 25.16,101.3 25.12,101.25 C340.1 ; v5(15.42,138.36) 15.36,138.36 15.33,138.33 C842.1 ; v5(56.57,256.2) 57.49,256.2 C664.1 ; v5(42.62,21.66) 42.62,23.04 C583.1 ; v5(45.64,45.46) 45.49,45.46 45.47,45.48 C352.1 ; C806.1 22.52,301.58 22.5,301.57 v5(22.5,301.49) ; C412.1 52.84,229.01 v5(54.3,229.01) ; C823.1 62.4,324.05 63.47,324.05 63.51,324.01 v5(63.52,324.01) ; C421.1 v5(40.33,41.51) ; v5(24.99,55.47) 24.99,55.28 24.98,55.27 C639.1 ; v5(69.69,341.42) 68.43,341.42 C771.1 ; v5(74.1,155.38) 74.1,155.31 74.1,155.3 C325.1 ; C846.1 80.4,365.8 80.41,365.81 v5(80.65,365.81) ; v5(44.47,127.59) 44.47,127.72 44.46,127.73 C343.1 ; v5(74.07,103.03) 74.07,104.37 C1000.1 ; v5(74.7,255.82) 74.7,255.74 74.68,255.71 C392.1 ; C460.1 39.14,131.25 39.16,131.23 v5(39.33,131.23) ; C766.1 61.32,379.47 61.34,379.49 v5(61.34,379.64) ; C736.1 60.47,339.04 60.47,339.04 v5(60.47,339.39) ; C601.1 67.37,250.78 67.37,250.78 v5(67.68,250.78) ; v5(15.69,304.04) 15.69,303.78 15.69,303.78 C667.1 ; v5(28.73,344.19) 28.93,344.19 28.94,344.2 C457.1 ; v5(15.39,134.56) 15.36,134.56 15.34,134.54 C463.1 ; v5(70.67,184.43) 70.67,184.2 70.68,184.2 C532.1 ; v5(68.87,275.24) 68.87,276.64 C514.1 ; C651.1 26.33,60.15 26.33,60.16 v5(26.33,60.35) ; v5(45.95,356.69) 45.71,356.69 44.76,356.69 44.29,357.16 C393.1 ; v5(15.65,296.71) 15.65,296.83 15.66,296.83 C688.1 ; C564.1 51.03,40.76 51.04,40.75 v5(51.04,40.59) ; v5(17.47,10.5) 17.38,10.5 17.37,10.5 C526.1 ; v5(76.06,36.28) 76.06,36.31 76.05,36.32 C636.1 ; v5(75.18,224.75) 75.05,224.75 75.03,224.73 C573.1 ; C615.1 v5(45.42,294.55) ; v5(69.03,236.71) 68.78,236.71 68.77,236.71 C595.1 ; v5(76.35,373.47) 76.15,373.47 76.12,373.45 C708.1 ; C2.2 76.91,266.74 v5(76.91,265.64) 76.91,264.54 C3.2 ; C739.1 68.96,334.37 68.95,334.38 v5(68.89,334.38) ; C685.1 v5(11.27,256.9) ; v5(54.12,351.48) 54.12,351.62 54.12,351.63 C754.1 ; C481.1 46.96,234.67 46.96,234.67 v5(47.12,234.67) ; C808.1 32.54,376.41 32.55,376.4 v5(32.85,376.4) ; C559.1 69.98,190.38 69.98,190.38 v5(69.98,190.18) ; C409.1 47.24,156.24 47.26,156.22 v5(47.36,156.22) ; v5(24.99,48.2) 24.99,48.38 25,48.39 C550.1 ; C128.1 v5(38.73,50.2) ; C163.1 73.3,112.89 73.3,112.9 v5(73.45,112.9) ; C697.1 68.74,353.77 v5(68.76,353.77) ; v5(78.92,32.16) 78.92,32 78.97,31.95 C598.1 ; v5(75.05,55.39) 74.79,55.39 74.76,55.41 C733.1 ; C720.1 75.03,237.85 75.03,237.85 v5(75.03,238.04) ; C790.1 78.09,276.52 78.09,276.51 v5(78.46,276.51) ; C859.1 53,377.78 v5(53,379.55) ; v5(64.19,89.64) 64.19,91 C977.1 ; C547.1 v5(70.42,312.38) ; C972.1 42.36,144.39 42.36,144.38 v5(42.55,144.38) ; v5(47.06,30.39) 46.92,30.39 46.92,30.38 C490.1 ; C324.1 42.52,185.88 v5(42.52,184.53) ; C757.1 18.09,343.72 18.13,343.76 v5(18.26,343.76) ; C222.1 70.24,26.52 70.23,26.51 v5(70.23,26.34) ; C826.1 37.79,335.55 v5(39.44,335.55) ; v5(38.72,378.2) 38.72,377.85 38.73,377.85 C805.1 ; v5(70.57,148.87) 70.43,148.87 70.42,148.87 C394.1 ; C704.1 35.86,7.35 35.86,7.35 v5(35.98,7.35) ; C375.1 27.68,20.44 27.7,20.46 v5(27.7,20.56) ; C497.1 v5(69.58,135.47) ; v5(29.39,14.83) 29.3,14.83 29.28,14.81 C362.1 ; C431.1 v5(16.73,101.35) ; v5(40.25,174.99) 40.15,174.99 40.15,175 C529.1 ; C835.1 14.89,117.96 14.88,117.96 v5(14.88,118.29)
